# Altium PCB Einsy_Rambo.PcbDoc (part 1 of 4) (continued)
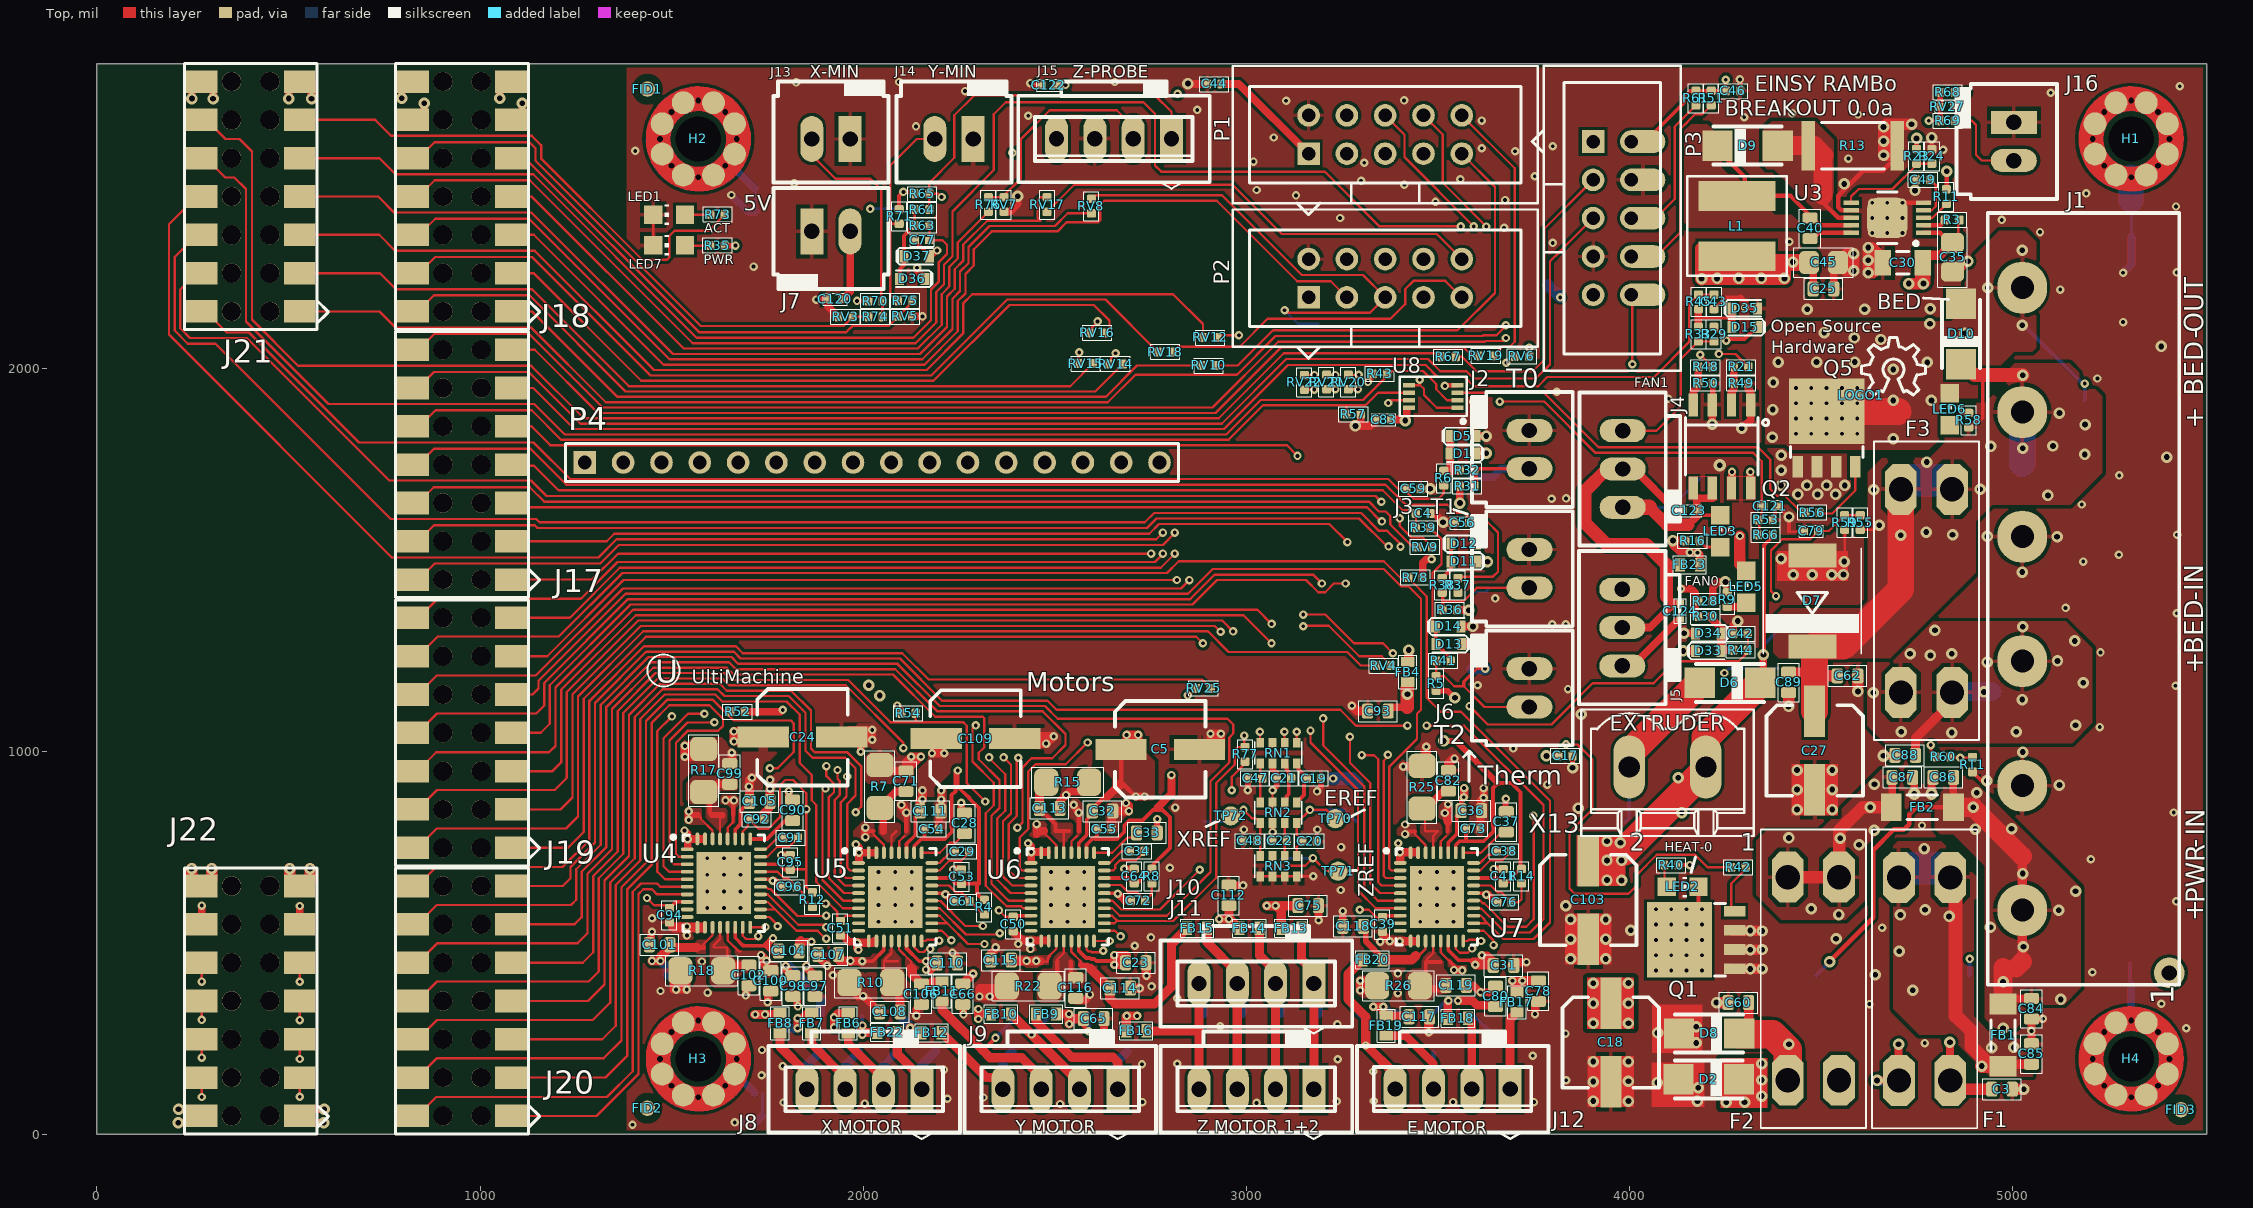
[diagram p0: Top view]
## Components (designator, comment, footprint, x,y, rotation, side; value= is the part's Value field where it differs from the comment) (continued)
R45 "1K" R0402#1 4180.78,2173.5 r270 top
R48 "100R" R0402#1 4199.03,2003.25 r180 top
R49 "100K" R0402#1 4292.03,1960.25 r0 top
R50 "100K" R0402#1 4199.03,1960.25 r0 top
R51 "10K" R0402#1 4214.03,2705.25 r90 top
R52 "10K" R0402#1 1672.03,1103.25 r0 top
R53 "2k37" R0402#1 4355.78,1604 r0 top
R54 "10K" R0402#1 2118.11,1099.41 r180 top
R55 "10K" R0402#1 4603.03,1597.25 r270 top
R56 "100R" R0402#1 4477.78,1623 r0 top
R57 "100K" R0402#1 3280.03,1880.25 r180 top
R58 "1.8K" R0402#1 4886.03,1864.25 r90 top
R59 "2k37" R0402#1 4562.03,1597.25 r270 top
R60 "4.7k" R0402#1 4819.03,985.25 r180 top
R61 "10K" R0402#1 4174.03,2705.25 r90 top
R63 "2k37" R0402#1 2154.03,2372.25 r0 top
R64 "2k37" R0402#1 2154.03,2414.25 r180 top
R65 "4.7k" R0402#1 2154.03,2455.25 r180 top
R66 "10K" R0402#1 4355.78,1565 r0 top
R67 "100R" R0402#1 3527.78,2030 r0 top
R68 "10K" R0402#1 4830.78,2720 r0 top
R69 "1K" R0402#1 4830.78,2646 r180 top
R70 "10K" R0402#1 2032.03,2175.25 r0 top
R71 "10K" R0402#1 2094.03,2396.25 r270 top
R73 "1K" R0402#1 1620.03,2401 r0 top
R74 "100R" R0402#1 2032.03,2134.25 r0 top
R75 "100R" R0402#1 2110.03,2176.25 r180 top
R76 "100R" R0402#1 2327.03,2427.25 r90 top
R77 "10K" R0402#1 2997.03,992.25 r270 top
R78 "10K" R0402#1 3441.78,1453.5 r0 top
RN1 "5.6k" CAY16 3084.5,995.77 r180 top
RN2 "5.6k" CAY16 3084.5,840.26 r180 top
RN3 "10K" CAY16 3084.5,700.5 r180 top
RT1 "NTCG104LH104JT1" R0402#2 4896.03,965.25 r90 top value=NTC
RV3 "VRS0402SR55R101N" C0402#1 1954.03,2134.25 r0 top value=12V
RV4 "120R" R0402#1 3358.78,1224 r180 top value=120Rfb
RV5 "VRS0402SR55R101N" C0402#1 2110.03,2135.25 r180 top value=12V
RV6 "120R" R0402#1 3719.78,2031 r0 top value=120Rfb
RV7 "VRS0402SR55R101N" C0402#1 2368.03,2427.25 r90 top value=12V
RV8 "120R" R0402#1 2596.03,2423.25 r90 top value=120Rfb
RV9 "120R" R0402#1 3466.78,1533 r0 top value=120Rfb
RV10 "120R" R0402#1 2902.03,2007.25 r180 top value=120Rfb
RV12 "120R" R0402#1 2906.03,2080.25 r180 top value=120Rfb
RV14 "120R" R0402#1 2658.78,2011 r0 top value=120Rfb
RV15 "120R" R0402#1 2580.78,2012 r180 top value=120Rfb
RV16 "120R" R0402#1 2610.78,2092 r0 top value=120Rfb
RV17 "120R" R0402#1 2480.03,2427.25 r270 top value=120Rfb
RV18 "120R" R0402#1 2788.78,2042 r0 top value=120Rfb
RV19 "120R" R0402#1 3625.78,2032 r0 top value=120Rfb
RV20 "120R" R0402#1 3266.78,1964 r90 top value=120Rfb
RV21 "120R" R0402#1 3209.78,1964 r90 top value=120Rfb
RV22 "120R" R0402#1 3151.78,1963 r90 top value=120Rfb
RV25 "120R" R0402#1 2888.48,1164 r0 top value=120Rfb
RV27 "VRS0402SR55R101N" C0402#2 4829.78,2683 r180 top value=12V
TP1 "TestPoint" TP1-27 1488.78,416 r90 bottom
TP2 "TestPoint" TP1-27 2588.78,316 r90 bottom
TP3 "TestPoint" TP1-27 4388.78,1316 r180 bottom
TP4 "TestPoint" TP1-27 2388.78,316 r90 bottom
TP5 "TestPoint" TP1-27 3188.78,316 r90 bottom
TP6 "TestPoint" TP1-27 2988.78,316 r90 bottom
TP7 "TestPoint" TP1-27 3088.78,316 r90 bottom
TP8 "TestPoint" TP1-27 3288.78,916 r90 bottom
TP9 "TestPoint" TP1-27 3588.78,316 r90 bottom
TP10 "TestPoint" TP1-27 3388.78,316 r90 bottom
TP12 "TestPoint" TP1-27 2888.78,816 r90 bottom
TP13 "TestPoint" TP1-27 3088.78,716 r90 bottom
TP14 "TestPoint" TP1-27 3288.78,816 r90 bottom
TP15 "TestPoint" TP1-27 3588.78,1216 r90 bottom
TP16 "TestPoint" TP1-27 5188.78,1716 r180 bottom
TP17 "TestPoint" TP1-27 3988.78,816 r180 bottom
TP18 "TestPoint" TP1-27 5188.78,1916 r180 bottom
TP19 "TestPoint" TP1-27 3488.78,316 r90 bottom
TP20 "TestPoint" TP1-27 3588.78,1716 r180 bottom
TP21 "TestPoint" TP1-27 3588.78,1416 r180 bottom
TP22 "TestPoint" TP1-27 4188.78,1716 r90 bottom
TP23 "TestPoint" TP1-27 4288.78,1516 r90 bottom
TP32 "TestPoint" TP1-27 3788.78,2216 r90 bottom
TP33 "TestPoint" TP1-27 4388.78,1216 r90 bottom
TP36 "TestPoint" TP1-27 3188.78,2116 r180 bottom
TP38 "TestPoint" TP1-27 2088.78,2416 r180 bottom
TP39 "TestPoint" TP1-27 2088.78,216 r90 bottom
TP40 "TestPoint" TP1-27 2389.78,2516 r180 bottom
TP41 "TestPoint" TP1-27 2188.78,216 r90 bottom
TP48 "TestPoint" TP1-27 2888.78,2716 r180 bottom
TP49 "TestPoint" TP1-27 1888.78,216 r90 bottom
TP50 "TestPoint" TP1-27 2488.78,316 r90 bottom
TP51 "TestPoint" TP1-27 2888.78,316 r90 bottom
TP52 "TestPoint" TP1-27 3288.78,316 r90 bottom
TP53 "TestPoint" TP1-27 2088.78,316 r90 bottom
TP54 "TestPoint" TP1-27 2188.78,2416 r90 bottom
TP56 "TestPoint" TP1-27 1988.78,216 r90 bottom
TP57 "TestPoint" TP1-27 2688.78,216 r90 bottom
TP58 "TestPoint" TP1-27 2388.78,216 r90 bottom
TP59 "TestPoint" TP1-27 3588.78,216 r90 bottom
TP60 "TestPoint" TP1-27 3488.78,216 r90 bottom
TP66 "TestPoint" TP1-27 4488.78,416 r180 bottom
TP67 "TestPoint" TP1-27 4688.78,416 r180 bottom
TP68 "TestPoint" TP1-27 4888.78,416 r180 bottom
TP69 "TestPoint" TP1-27 4185.78,184 r90 bottom
TP70 "TestPoint" TP1-27 3232.78,824 r90 top
TP71 "TestPoint" TP1-27 3239.78,687 r90 top
TP72 "TestPoint" TP1-27 2959.5,831.4 r90 top
TP73 "TestPoint" TP1-27 1988.78,316 r90 bottom
TP74 "TestPoint" TP1-27 1788.78,316 r90 bottom
TP75 "TestPoint" TP1-27 1888.78,316 r90 bottom
U3 "LM25011" VSSOP10 4673.46,2392.57 r180 top locked
U4 "TMC2130-LA" QFN36-50P500X600X900_HS-37N 1636.4,656.06 r0 top locked value=TMC2130
U5 "TMC2130-LA" QFN36-50P500X600X900_HS-37N 2083.78,620.06 r0 top locked value=TMC2130
U6 "TMC2130-LA" QFN36-50P500X600X900_HS-37N 2533.78,620.06 r0 top locked value=TMC2130
U7 "TMC2130-LA" QFN36-50P500X600X900_HS-37N 3497.78,620.06 r0 top locked value=TMC2130
U8 "74LVC2G08" VSSOP8 3488.03,1926.25 r180 top value=-NA-
X13 "0395311002" MSTBV2 4099.78,959 r180 top

## Footprints (in the part's own frame and the unit in brackets; to place one, negate y for a bottom-side part, rotate by r counter-clockwise, add the part's x,y. Pads: shape width x height; smd on the part's side, far side on the other; paste and mask are expansions set on the pad)
4POL254 [mil]
  rect 60x120 hole 40: 1(-150,0)
  oval 60x120 hole 40: 2(-50,0) 3(50,0) 4(150,0)
  silkscreen extent -250,-150 250,130, body extent -250,-150 250,113, height 454
2512R-0.55 [mm] "2512 Resistor 6.35mm x 3.2mm x 0.55mm"
  rect 0.9x3.3 smd: 1(-2.95,0) 2(2.95,0)
  silkscreen extent -2.1,-1.55 2.1,1.55, body extent -3.22,-1.68 3.22,1.68, height 0.65
3557 [mil] "3557"
  oct 133x83 hole 63: 1(-265,-67) 1(-265,67) 2(265,-67) 2(265,67)
  silkscreen extent -390,-137 390,138, body extent -393,-140 392,140, height 709
70543-02#1 [mil]
  oval 60x120 hole 40: 1(-50,0) 2(50,0)
  silkscreen extent -150,-150 150,113, body extent -150,-150 150,113, height 450
70543-02#2 [mil]
  rect 60x120 hole 40: 1(-50,0)
  oval 60x120 hole 40: 2(50,0)
  silkscreen extent -150,-150 150,113, body extent -150,-150 150,113, height 450
70543-03 [mil]
  oval 60x120 hole 40: 1(-100,0) 2(0,0) 3(100,0)
  silkscreen extent -200,-150 200,113, body extent -200,-150 200,113, height 450
C0402#1 [mil]
  rrect40% 22x24 smd: 1(-18.7,0) 2(19,0)
  silkscreen extent -38,-19 38,20, body extent -20,-10 20,10, height 20
C0402#2 [mil] "Chip Capacitor, Ceramic, 0402, Manually adjusted"
  rect 21.65x19.68 smd: 1(-18.7,0) 2(18.7,0)
  silkscreen extent -31,-16 31,16, body extent -21,-11 21,11, height 20
C0603 [mm]
  rrect40% 0.74x1 smd: 1(-0.68,0) 2(0.68,0)
  silkscreen extent -1.28,-0.7 1.28,0.7, body extent -0.8,-0.4 0.8,0.4, height 0.8
C0805 [mil]
  rrect50% 52x60 smd: 1(-37.4,0) 2(38,0)
  silkscreen extent -78,-39 78,39, body extent -40,-30 40,30, height 35
C1206 [mm]
  rect 1.1x1.7 smd: 1(-1.325,0) 2(1.325,0)
  silkscreen extent -0.4,-0.75 0.4,0.75, body extent -1.68,-0.87 1.67,0.88, height 1.6
CAP-ELEC-063063077 [mm] "6.3x6.3x7.7mm"
  rect 3.4x1.4 smd: 1(2.6,0) 2(-2.6,0)
  silkscreen extent -3,-3.2 3,3.2, body extent -3.5,-3.3 3.5,3.3, height 5.4
CAY16 [mil]
  rect 20x26 smd: 1(-47.24,-26.57) 2(-15.75,-26.57) 3(16,-26.57) 4(48,-26.57) 5(48,27) 6(16,27) 7(-15.75,27) 8(-47.24,27)
  silkscreen extent -61,-30 62,30, body extent -61,-30 62,30, height 20
CON-Barrier-6-8.26mm [mil]
  oval 136x130 hole 60: 1(-812.5,160) 2(-487.5,160) 3(-162.5,160) 4(162.5,160) 5(487.5,160) 6(812.5,160)
  silkscreen extent -1008,-250 1007,250, body extent -1007,-250 1007,250, height 530
DO-214AB [mil]
  rect 63x126 smd: A(119,0) C(-118.11,0)
  silkscreen extent -138,-128 138,128, body extent -140,-130 140,130, height 98
FB0603 [mm] "Ferrite Bead, Samsung CIS10P High Current Series"
  rect 0.67x0.88 smd: 1(-0.665,0) 2(0.665,0)
  silkscreen extent -1.1,-0.6 1.1,0.6, body extent -0.87,-0.48 0.87,0.48, height 0.95
FIDUCIAL-1X2 [mil]
  rrect100% 40x40 smd paste-3897.64 mask+20: 1(0,0)
  body extent -20,-20 20,20, height 1
HDR1X16 [mm] "Connector; Header; 16 Position"
  rect 1.5x1.5 hole 0.9: 1(0,0)
  round 1.5 hole 0.9: 2(2.54,0) 3(5.08,0) 4(7.62,0) 5(10.16,0) 6(12.7,0) 7(15.24,0) 8(17.78,0) 9(20.32,0) 10(22.86,0) 11(25.4,0) 12(27.94,0) 13(30.48,0) 14(33.02,0) 15(35.56,0) 16(38.1,0)
  silkscreen extent -1.27,-1.27 39.37,1.27
"HDR2X5 IDC" [mm] "Connector; Header; 5x2 Position"
  rect 1.5x1.5 hole 0.9: 1(-5.08,-1.27)
  round 1.5 hole 0.9: 2(-5.08,1.27) 3(-2.54,-1.27) 4(-2.54,1.27) 5(0,-1.27) 6(0,1.27) 7(2.54,-1.27) 8(2.54,1.27) 9(5.08,-1.27) 10(5.08,1.27)
  silkscreen extent -10.11,-5.31 10.11,4.55, body extent -10.19,-4.63 10.19,4.63, height 9.1
"HDR2X5 IDC THIEVING" [mm] "Connector; Header; 5x2 Position"
  rect 1.5x1.5 hole 0.9 mask+0.051: 1(-5.08,-1.27)
  oval 1.5x3 hole 0.9 copper offset 0,0.75 mask-0.914: 2(-5.08,1.27) 4(-2.54,1.27) 6(0,1.27) 8(2.54,1.27) 10(5.08,1.27)
  round 1.5 hole 0.9 mask+0.051: 3(-2.54,-1.27) 5(0,-1.27) 7(2.54,-1.27) 9(5.08,-1.27)
  rect 1.5x1.5 smd far side paste-0.762: ""(-5.08,4.521) ""(-2.54,4.521) ""(0,4.521) ""(2.54,4.521) ""(5.08,4.521)
  round 1.602 on Top Solder: ""(-5.08,1.27) ""(-2.54,1.27) ""(0,1.27) ""(2.54,1.27) ""(5.08,1.27)
  round 1.602 on Bottom Solder: ""(-5.08,1.27) ""(-2.54,1.27) ""(0,1.27) ""(2.54,1.27) ""(5.08,1.27)
  silkscreen extent -10.11,-5.31 10.11,4.55, body extent -10.19,-4.63 10.19,4.63, height 9.1
HDR2x7_SMT_BOT_ENTRY_EX [mm]
  rect 1.5x2.1 smd: 1(-7.62,-3.25) 2(-7.62,3.25) 3(-5.08,-3.25) 4(-5.08,3.25) 5(-2.54,-3.25) 6(-2.54,3.25) 7(0,-3.25) 8(0,3.25) 9(2.54,-3.25) 10(2.54,3.25) 11(5.08,-3.25) 12(5.08,3.25) 13(7.62,-3.25) 14(7.62,3.25)
  round 1.28 hole 1.28 unplated: ""(-7.62,-1.27) ""(-7.62,1.27) ""(-5.08,-1.27) ""(-5.08,1.27) ""(-2.54,-1.27) ""(-2.54,1.27) ""(0,1.27) ""(0,-1.27) ""(2.54,-1.27) ""(2.54,1.27) ""(5.08,-1.27) ""(5.08,1.27) ""(7.62,-1.27) ""(7.62,1.27)
  silkscreen extent -8.82,-5.15 8.82,4.4, body extent -8.79,-3.82 8.79,3.83, height 6.2
L1806 [mm] "Chip Inductor, 2-Leads, Body 4.50x1.60mm, IPC Medium Density"
  rect 1.38x1.8 smd: 1(-2.06,0) 2(2.06,0)
  silkscreen extent -1,-0.8 1,0.8, body extent -2.35,-0.9 2.35,0.9, height 1.8
LED2012120 [mil]
  rect 48x48 smd: A(-41.34,0) C(42,0)
  silkscreen extent 0,-27 12,27, body extent -50,-25 50,25, height 28
MSTBV2 [mil]
  oval 82.5x165 hole 55: 1(-100,0) 2(100,0)
  silkscreen extent -225,-150 225,180, body extent -228,-153 228,183, height 394
NCV8402AD-SOIC8 [mil]
  rect 24x60 smd: 1(-75,-108.27) 2(-25,-108.27) 3(25,-108.27) 4(75,-108.27) 5(25,109) 5(75,109) 7(-75,109) 7(-25,109)
  silkscreen extent -122,-75 95,75, body extent -98,-130 99,130, height 58
"Net Tie" [mil]
  rrect50% 46x63 smd: 1(-30,0) 2(30,0)
  Top lines w8: -30,0 30,0
  silkscreen extent -65,-40 65,40, body extent -53,-31 53,31, height 4
OSHW_8X150_NOTEXT [mil]
  silkscreen extent 0,0 167,150, body extent 0,2 168,148
QFN36-50P500X600X900_HS-37N [mm] "QFN, 36-Leads, Body 5.00x6.00mm, Pitch 0.50mm, Thermal Pad 3.60x4.10mm, IPC Medium Density"
  oval 0.85x0.25 smd mask+0.051: 1(-2.43,2.25) 2(-2.43,1.75) 3(-2.43,1.25) 4(-2.43,0.75) 5(-2.43,0.25) 6(-2.43,-0.25) 7(-2.43,-0.75) 8(-2.43,-1.25) 9(-2.43,-1.75) 10(-2.43,-2.25) 19(2.43,-2.25) 20(2.43,-1.75) 21(2.43,-1.25) 22(2.43,-0.75) 23(2.43,-0.25) 24(2.43,0.25) 25(2.43,0.75) 26(2.43,1.25) 27(2.43,1.75) 28(2.43,2.25)
  oval 0.25x0.85 smd mask+0.051: 11(-1.75,-2.925) 12(-1.25,-2.925) 13(-0.75,-2.925) 14(-0.25,-2.925) 15(0.25,-2.925) 16(0.75,-2.925) 17(1.25,-2.925) 18(1.75,-2.925) 29(1.75,2.925) 30(1.25,2.925) 31(0.75,2.925) 32(0.25,2.925) 33(-0.25,2.925) 34(-0.75,2.925) 35(-1.25,2.925) 36(-1.75,2.925)
  rect 3.6x4.1 smd paste-2.159 mask+0.051: 37(0,0)
  rect 1.34x1.57 on Top Paste: ""(-0.821,-0.936) ""(-0.82,0.935) ""(0.82,-0.936) ""(0.82,0.936)
  silkscreen extent -3.47,-3.2 2.7,3.2, body extent -2.55,-3.05 2.55,3.05, height 0.9
R0402#1 [mil]
  rrect40% 22x24 smd: 1(-18.9,0) 2(19,0)
  silkscreen extent -38,-19 38,20, body extent -20,-10 20,10, height 14
R0402#2 [mil]
  rrect40% 23.62x24 smd: 1(-18.9,0) 2(19,0)
  body extent -20,-10 20,10, height 14
R1206 [mil]
  rrect50% 63x71 smd: 1(-55.98,0) 2(56,0)
  silkscreen extent -94,-39 94,39, body extent -61,-31 61,31, height 24
SMA-SM#1 [mil]
  rect 79x79 smd: A(79,0) K(-78.74,0)
  silkscreen extent -89,-49 89,50, body extent -105,-54 105,55, height 116
SMA-SM#2 [mil]
  rect 79x79 smd: A(79,0) C(-78.74,0)
  silkscreen extent -89,-49 89,50, body extent -105,-54 105,55, height 116
SOD523_IPC [mm]
  rect 0.6x0.8 smd: A(0.85,0) K(-0.85,0)
  silkscreen extent -1.35,-0.55 1.08,0.55, body extent -0.65,-0.45 0.65,0.45, height 0.65
SOT669 [mm]
  rect 0.711x1.422 smd: 1(-1.905,-2.55) 2(-0.635,-2.55) 3(0.635,-2.55) 4(1.905,-2.55)
  rect 5.004x4.318 smd paste-2.6: MB(0,1.118)
  rect 2.26x1.91 on Top Paste: ""(-1.351,2.315) ""(-1.351,-0.036) ""(1.351,2.314) ""(1.351,-0.037)
  silkscreen extent -2.4,-1.95 2.41,-1.22, body extent -2.44,-3.05 2.46,3.25, height 1.1
TP1-27 [mil]
  rrect100% 50x50 smd paste-50: TP(0,0)
  body extent -25,-25 25,25, height 0
VSSOP8 [mm]
  rect 0.8x0.296 smd: 1(-1.6,0.75) 2(-1.6,0.25) 3(-1.6,-0.25) 4(-1.6,-0.75) 5(1.6,-0.75) 6(1.6,-0.25) 7(1.6,0.25) 8(1.6,0.75)
  silkscreen extent -2.23,-1.3 2.23,1.78, body extent -1.55,-1.05 1.55,1.05, height 1
VSSOP10 [mm] "TSSOP, 10-Leads, Body 3.15x3.00mm, Pitch 0.50mm, Thermal Pad 2.05.2x1.50.2mm, IPC High Density"
  rect 1.02x0.296 smd mask+0.102: 1(-2.4,1) 2(-2.4,0.5) 3(-2.4,0) 4(-2.4,-0.5) 5(-2.4,-1) 6(2.4,-1) 7(2.4,-0.5) 8(2.4,0) 9(2.4,0.5) 10(2.4,1)
  rrect50% 2.667x2.667 smd paste-1.397: 11(0,0)
  silkscreen extent -2.02,-1.7 0.65,1.82, body extent -1.55,-1.7 1.55,1.7, height 1.09
Wave_hole_3x7-singleSided#1 [mil]
  round 0 hole 118.11 unplated paste+0 mask-112: 0(0,0)
  round 0 hole 15 paste-20 mask-20: 1(-100,0) 1(-70,-70) 1(-70,70) 1(0,-100) 1(0,100) 1(70,-70) 1(70,70) 1(100,0)
  round 60 smd paste-5 mask+0: 1(-94.49,-39.37) 1(-94.49,39.37) 1(-39.37,-94.49) 1(-39.37,94.49) 1(39.37,-94.49) 1(39.37,94.49) 1(94.49,-39.37) 1(94.49,39.37)
  Top circle w64.96: c0,0 r105
  Bottom lines w64.96: 0,-105 cw(c0,0) 105,0 ; 0,-105 cw(c0,0) 105,0 ; 0,-105 ccw(c0,0) 77.16,-71.22 ; 0,-105 ccw(c0,0) 1.98,-104.98 ccw(c0,0) 77.16,-71.22 ; 77.16,-71.22 ccw(c0,0) 105,0
  body extent -105,-105 105,105
Wave_hole_3x7-singleSided#2 [mil]
  round 0 hole 118.11 unplated paste+0 mask-112: 0(0,0)
  round 0 hole 15 paste-20 mask-20: 1(-100,0) 1(-70,-70) 1(-70,70) 1(0,-100) 1(0,100) 1(70,-70) 1(70,70) 1(100,0)
  round 60 smd paste-5 mask+0: 1(-94.49,-39.37) 1(-94.49,39.37) 1(-39.37,-94.49) 1(-39.37,94.49) 1(39.37,-94.49) 1(39.37,94.49) 1(94.49,-39.37) 1(94.49,39.37)
  Top circle w64.96: c0,0 r105
  Bottom lines w64.96: -3.94,-104.93 ccw(c0,0) 82.44,-65.03 ; -3.94,-104.93 ccw(c0,0) 82.44,-65.03 ; -3.94,-104.93 ccw(c0,0) 82.44,-65.03 ; -3.94,-104.93 ccw(c0,0) 82.44,-65.03 ; -3.94,-104.93 cw(c0,0) 105,0 ; -3.94,-104.93 cw(c0,0) 105,0 ; -3.94,-104.93 cw(c0,0) 105,0 ; -3.94,-104.93 cw(c0,0) 105,0 ; -3.94,-104.93 cw(c0,0) 105,0 ; -3.94,-104.93 cw(c0,0) 105,0 ; -3.94,-104.93 cw(c0,0) 105,0 ; 82.44,-65.03 ccw(c0,0) 105,0 ; 82.44,-65.03 ccw(c0,0) 105,0 ; 82.44,-65.03 ccw(c0,0) 105,0 ; 82.44,-65.03 ccw(c0,0) 105,0
  body extent -105,-105 105,105
XAL50xx_VLS6045 [mm] "Precision Wire Wound Inductor, 2-Leads, Body 5.28x5.48mm, IPC High Density"
  rect 1.985x5.1 smd: 1(-2,0) 2(2,0)
  silkscreen extent -3.3,-3.3 3.3,3.3, body extent -2.74,-2.84 2.74,2.84, height 4.25

## Part data
C3 C23 C25 C28 C31 C32 C33 C36 C37 C40 C60 C62 C71 C82 C84 C85 C86 C87 C88 C89 C90 C99 C102 C104 C105 C108 C110 C111 C113 C116 C119: library part C0603C104K5RACTU, "CAP CER 0603 100nF 50V 10% X7R", Manufacturer=Kemet, TOLERANCE="+/- 10%", DISTRIBUTOR=Digi-Key, DISTRIBUTOR #=399-5089-2-ND, EE_SPEC="100nF 50V X7R 0603", MANUFACTURER #=C0603C104K5RACTU, PART=100nF, PART DESCRIPTION="0.1µF ±10% 50V Ceramic Capacitor X7R 0603 (1608 Metric)"
C4 C17 C39 C41 C42 C43 C44 C46 C50 C51 C53 C54 C55 C56 C59 C64 C73 C77 C79 C83 C92 C94 C95 C120 C121 C122 C123 C124: library part GRM155R71C104KA88D, "CAP CER 0402 100nF 16V 10% X7R", Manufacturer=Murata, TOLERANCE="+/- 10%", DISTRIBUTOR=Digi-Key, DISTRIBUTOR #=490-3261-2-ND, EE_SPEC="100nF 16V X7R 0402", MANUFACTURER #=GRM155R71C104KA88D, PART=100nF, PART DESCRIPTION="0.10µF ±10% 16V Ceramic Capacitor X7R 0402 (1005 Metric)"
C5 C18 C24 C27 C103 C109: "CAP ALUM 100UF 35V 20% SMD", Manufacturer=Nichicon, TOLERANCE="+/- 20%", DISTRIBUTOR=Digi-Key, DISTRIBUTOR #=493-2203-2-ND, EE_SPEC="100uF 35V Al-El", MANUFACTURER #=UWT1V101MCL1GS, PART=100uF, PART DESCRIPTION="100µF 35V Aluminum Capacitors Radial, Can - SMD 1000 Hrs @ 105°C"
C19 C20 C21 C22 C47 C48 C61 C72 C76 C96: library part GRM155R60J105KE19D, "CAP CER 0402 1uF 6.3V 10% X5R", Manufacturer=Murata, TOLERANCE="+/- 10%", DISTRIBUTOR=Digi-Key, DISTRIBUTOR #=490-1320-2-ND, EE_SPEC="1uF 6.3V X5R 0402", MANUFACTURER #=GRM155R60J105KE19D, PART=1uF, PART DESCRIPTION="1µF ±10% 6.3V Ceramic Capacitor X5R 0402 (1005 Metric)"
C29 C34 C38 C91: library part GCM155R71H223KA55D, "CAP CER 0402 22nF ±10% 50V X7R", Manufacturer=YAGEO, TOLERANCE="+/- 10%", DISTRIBUTOR=Digi-Key, DISTRIBUTOR #=490-4763-2-ND, EE_SPEC="22nF 50V X7R 0402", MANUFACTURER #=GCM155R71H223KA55D, PART=22nF, PART DESCRIPTION="0.022µF ±10% 50V Ceramic Capacitor X7R 0402 (1005 Metric)"
C30: library part C1206C475K5PACTU, "CAP CER 1206 4.7uF 50V 10% X5R", Manufacturer=Kemet, TOLERANCE="+/- 10%", DISTRIBUTOR=Digi-Key, DISTRIBUTOR #=399-5507-2-ND, EE_SPEC="4.7uF 50V X5R 1206", MANUFACTURER #=C1206C475K5PACTU, PART=4.7uF, PART DESCRIPTION="4.7µF ±10% 50V Ceramic Capacitor X5R 1206 (3216 Metric)"
C35: library part GRM21BR71H105KA12L, "CAP CER 0805 1uF 50V 10% X7R", Manufacturer=Murata, TOLERANCE="+/- 10%", DISTRIBUTOR=Digi-Key, DISTRIBUTOR #=490-4736-2-ND, EE_SPEC="1uF 50V X7R 0805", MANUFACTURER #=GRM21BR71H105KA12L, PART=1uF, PART DESCRIPTION="1µF ±10% 50V Ceramic Capacitor X7R 0805 (2012 Metric)"
C45: library part C0805C106K8PACTU, "CAP CER 0805 10uF 10V 10% X5R", Manufacturer=Kemet, TOLERANCE="+/- 10%", DISTRIBUTOR=Digi-Key, DISTRIBUTOR #=399-4925-2-ND, EE_SPEC="10uF 10V X5R 0805", MANUFACTURER #=C0805C106K8PACTU, PART=10uF, PART DESCRIPTION="10µF ±10% 10V Ceramic Capacitor X5R 0805 (2012 Metric)"
C49: library part CC0402KRX7R8BB472, "CAP CER 0402 4.7nF 25V 10% X7R", Manufacturer=YAGEO, TOLERANCE="+/- 10%", DISTRIBUTOR=Digi-Key, DISTRIBUTOR #=311-1039-2-ND, EE_SPEC="4.7nF 25V X7R 0402", MANUFACTURER #=CC0402KRX7R8BB472, PART=4.7nF, PART DESCRIPTION="4700pF ±10% 25V Ceramic Capacitor X7R 0402 (1005 Metric)"
C65 C66 C75 C78 C80 C97 C98 C100 C101 C106 C107 C112 C114 C115 C117 C118: library part C0603C102K5RACTU, "CAP CER 0603  1nF 50v 10% X7R", Manufacturer=Kemet, TOLERANCE="+/- 10%", DISTRIBUTOR=Digi-Key, DISTRIBUTOR #=399-1082-2-ND, EE_SPEC="1nF 50V X7R 0603", MANUFACTURER #=C0603C102K5RACTU, PART=1nF, PART DESCRIPTION="1000pF ±10% 50V Ceramic Capacitor X7R 0603 (1608 Metric)"
C93: library part C1608JB0J106K080AB, "CAP CER 10UF 6.3V 10% JB 0603", Manufacturer=TDK, TOLERANCE="+/- 10%", DISTRIBUTOR=Digi-Key, DISTRIBUTOR #=445-11185-1-ND, EE_SPEC=6.3VDC, MANUFACTURER #=C1608JB0J106K080AB, PART="10uF 6.3VDC", PART DESCRIPTION="CAP CER 10UF 6.3V 10% JB 0603"
D1 D5 D11 D12 D13 D14 D15 D33 D34 D35 D36 D37: library part BAT54WT-7, "Diode Schottky 30V 100mA Surface Mount SOD-523", Manufacturer="Diodes Incorporated", TOLERANCE=NA, DISTRIBUTOR=Digi-Key, DISTRIBUTOR #=BAT54WT-7DI-ND, EE_SPEC="30V 0.1A", MANUFACTURER #=BAT54WT-7, PART=BAT54, PART DESCRIPTION="Diode Schottky 30V 100mA Surface Mount SOD-523"
D2 D8: "TVS DIODE 28VWM 45.4VC SMA", Manufacturer="Diodes Inc", MANUFACTURER #=SMAJ28A-13-F, TOLERANCE=NA, DISTRIBUTOR=Digi-Key, DISTRIBUTOR #=SMAJ28A-FDITR-ND, EE_SPEC="28Vrs 45.4Vc", PART=SMAJ28A, PART DESCRIPTION="TVS DIODE 28VWM 45.4VC SMA"
D6 D9 D10: library part SK310A, "DIODE Schottky 3A SMA", Manufacturer=MCC, MANUFACTURER #=SK310A-LTP, TOLERANCE=NA, DISTRIBUTOR=Digi-Key, DISTRIBUTOR #=SK310A-LTPMSTR-ND, EE_SPEC="3A 100V", PART=SK310A, PART DESCRIPTION="Diode Schottky 100V 3A Surface Mount DO-214AC (SMA)"
D7: "DIODE DO-214AB", Manufacturer="Diodes Incorporated", TOLERANCE=NA, DISTRIBUTOR=Digi-Key, DISTRIBUTOR #=S3A-FDITR-ND, EE_SPEC="50V 3A 1.15Vf", MANUFACTURER #=S3A-13-F, PART=S3A-13-F, PART DESCRIPTION="Diode Standard 50V 3A Surface Mount SMC"
F1 F2 F3: "FUSE PTH ATO", Manufacturer=Keystone, TOLERANCE=NA, DISTRIBUTOR=Digi-Key, DISTRIBUTOR #=36-3557-2-ND, EE_SPEC="ATC 500V 30A", MANUFACTURER #=3557-2, PART=Fuse, PART DESCRIPTION="FUSE BLOCK BLADE 500V 30A PCB"
FB1 FB2: "FERRITE BEAD 1806 60ohm", Manufacturer=Murata, TOLERANCE=NA, DISTRIBUTOR=Digi-Key, DISTRIBUTOR #=490-1058-2-ND, EE_SPEC="60R 6A 0.009Ohm", MANUFACTURER #=BLM41PG600SN1L, PART=60Rf, PART DESCRIPTION="FERRITE BEAD 60 OHM 1806 1LN"
FB4 FB6 FB7 FB8 FB9 FB10 FB11 FB12 FB13 FB14 FB15 FB16 FB17 FB18 FB19 FB20 FB22 FB23: library part "FERRITE 120R 3A 0603", "FERRITE BEAD 120 OHM 0603 1LN", Manufacturer=Samsung, MANUFACTURER #=CIS10P121AC, TOLERANCE=-NA-, DISTRIBUTOR #=1276-6351-2-ND, EE_SPEC=3A, PART="FERRITE 120R 3A 0603", PART DESCRIPTION="FERRITE BEAD 120 OHM 0603 1LN"
  FB4: DISTRIBUTOR=DigiKey
  FB6 FB7 FB8 FB9 FB10 FB11 FB12 FB13 FB14 FB15 FB16 FB17 FB18 FB19 FB20 FB22 FB23: DISTRIBUTOR=Digikey
FID1 FID2 FID3: "Fiducial"
J1: "CONN BARRIER STRIP 6CIRC 0.325\"", Manufacturer=TE, MANUFACTURER #=4DB-P108-06, TOLERANCE=NA, DISTRIBUTOR=Digi-Key, DISTRIBUTOR #=A98476-ND, EE_SPEC="150V 2A", PART=6POS, PART DESCRIPTION="6 Circuit 0.325\" (8.26mm) Barrier Block Connector, Screws with Captive Plate"
J2 J3 J6 J7 J13 J14 J16: "Connector 2pos", Manufacturer=Molex, MANUFACTURER #=0705430001, TOLERANCE=-NA-, DISTRIBUTOR=Digi-Key, DISTRIBUTOR #=WM4800-ND, EE_SPEC=-NA-, PART="10 Pin Conn", PART DESCRIPTION="2 Positions Header, Shrouded Connector 0.100\" (2.54mm) Through Hole Gold"
J4 J5: library part "CONN 3POS VERT 0.1\" SHRD LOCKING", "3 Positions Header, Shrouded Connector 0.100\" (2.54mm) Through Hole Gold", Manufacturer=Molex, MANUFACTURER #=0705430002, TOLERANCE=-NA-, DISTRIBUTOR=Digi-Key, DISTRIBUTOR #=WM4801-ND, EE_SPEC=-NA-, PART="3 Pin Conn VERT", PART DESCRIPTION="3 Positions Header, Shrouded Connector 0.100\" (2.54mm) Through Hole Gold"
J8 J9 J10 J11 J12 J15: library part "CONN 4PIN 0.1\" VERT SHRD LOCK ALT", "Molex 4 Pin Clip Connector", Manufacturer=Molex, MANUFACTURER #=0705430038, TOLERANCE=-NA-, DISTRIBUTOR=Digi-Key, DISTRIBUTOR #=WM4826-ND, EE_SPEC=-NA-, PART="4 Pin Conn", PART DESCRIPTION="4 Positions Header, Shrouded Connector 0.100\" (2.54mm) Through Hole Tin"
J17 J18 J19 J20 J21 J22: library part "CONN 14PIN 0.1\" FEMALE 2-ROW SMT BOT-ENTRY_EX", "CONN RCPT DUAL ENTRY 14POS .100\"", Manufacturer="TE Connectivity", MANUFACTURER #=969973-7, TOLERANCE=-NA-, DISTRIBUTOR=Digikey, DISTRIBUTOR #=A107060CT-ND, EE_SPEC=-NA-, PART=HDR14, PART DESCRIPTION="14 Position Receptacle, Bottom or Top Entry Connector Gold 0.100\" (2.54mm) Surface Mount"
L1: library part "IND 15uH 2.5A 0.075R", "FIXED IND 15UH 2.5A 98 MOHM SMD", Manufacturer=TDK, Manufacturer2=Coilcraft, MANUFACTURER #=VLS6045EX-150M, ManufacturerPartNumber2=XAL5050-153MEB, TOLERANCE="+/- 20%", DISTRIBUTOR=Digi-Key, DISTRIBUTOR #=445-173041-2-ND, EE_SPEC="15uH 2.5A 0.098-Ohm", PART=15uH, PART DESCRIPTION="15µH Shielded Wirewound Inductor 2.5A 98 mOhm Max Nonstandard"
LED1: library part 5988140107F, "LED 0805 Yellow", Manufacturer=Dialight, TOLERANCE=NA, DISTRIBUTOR=Digi-Key, DISTRIBUTOR #=350-2041-2-ND, EE_SPEC="2V 0.02A", MANUFACTURER #=5988140107F, PART=YEL, PART DESCRIPTION="Yellow 593nm LED Indication - Discrete 2V 0805 (2012 Metric)"
LED2 LED3 LED5 LED6: library part 5988110107F, "LED 0805 Red", Manufacturer=Dialight, TOLERANCE=NA, DISTRIBUTOR=Digi-Key, DISTRIBUTOR #=350-2038-2-ND, EE_SPEC="2.2V 0.02A", MANUFACTURER #=5988110107F, PART=RED, PART DESCRIPTION="Red 635nm LED Indication - Discrete 2.2V 0805 (2012 Metric)"
LED7: library part 5988170107F, "LED 0805 Green", Manufacturer=Dialight, TOLERANCE=NA, DISTRIBUTOR=Digi-Key, DISTRIBUTOR #=350-2044-2-ND, EE_SPEC="2V 0.02A", MANUFACTURER #=5988170107F, PART=GRN, PART DESCRIPTION="Green 566nm LED Indication - Discrete 2V 0805 (2012 Metric)"
"Net Tie1" "Net Tie2" "Net Tie3" "Net Tie4": "Net Tie", LastRevisionDate=23-Apr-2014, LastRevisionNote=ImportComponents, Published=23-Apr-2014, Publisher=UltiMachine
P1 P2 P3: library part "Header 10PIN 2ROW T-HOLE VERT SHROUDED", "CONN HEADER VERT 10POS GOLD", Manufacturer="On Shore", MANUFACTURER #=302-S101, TOLERANCE=-NA-, DISTRIBUTOR=Digikey, DISTRIBUTOR #=ED1543-ND, EE_SPEC=-NA-, PART=HDR10, PART DESCRIPTION="10 Positions Header Connector 0.100\" (2.54mm) Through Hole Gold"
P4: "Header, 16-Pin", LatestRevisionDate=17-Jul-2002, LatestRevisionNote="Re-released for DXP Platform.", Publisher="Altium Limited"
Q1 Q5: "MOSFET N-CH 40V 100A LFPAK", Manufacturer=Nexperia, MANUFACTURER #=PSMN1R8-40YLC,115, TOLERANCE=-NA-, DISTRIBUTOR=Digikey, DISTRIBUTOR #=1727-1052-2-ND, EE_SPEC="40V 100A 1.8mOhm", PART DESCRIPTION="N-Channel 40V 100A (Tc) 272W (Tc) Surface Mount LFPAK56, Power-SO8"
Q2: "IC DVR LOW SIDE 8-SOIC", Manufacturer="On Semi", MANUFACTURER #=NCV8402ADDR2G, TOLERANCE=NA, DISTRIBUTOR=Digi-Key, DISTRIBUTOR #=NCV8402ADDR2GOSTR-ND, EE_SPEC="42Vmaz 2A 0.165-Ohm", PART=NCV8402, PART DESCRIPTION="IC DVR LOW SIDE 8-SOIC"
R3: library part CRCW0402200KFKED, "RES 0402 200K", Manufacturer="Vishay Dale", TOLERANCE="+/- 1%", DISTRIBUTOR=Digi-Key, DISTRIBUTOR #=541-200KLTR-ND, EE_SPEC="200k 1% 0402", MANUFACTURER #=CRCW0402200KFKED, PART=200K, PART DESCRIPTION="200k Ohm ±1% 0.063W, 1/16W Chip Resistor 0402 (1005 Metric) Automotive AEC-Q200 Thick Film"
R4 R8 R12 R14: library part RC0402FR-0710RL, "RES SMD 10 OHM 1% 1/16W 0402", Manufacturer=Yageo, TOLERANCE="+/- 1%", DISTRIBUTOR=Digi-Key, DISTRIBUTOR #=311-10.0LRTR-ND, EE_SPEC="10R 1% 0402", MANUFACTURER #=RC0402FR-0710RL, PART=10R, PART DESCRIPTION="10 Ohm ±1% 0.063W, 1/16W Chip Resistor 0402 (1005 Metric) Moisture Resistant Thick Film"
R5 R31 R36 R60 R65: library part RC0402FR-074K7L, "RES SMD 4.7K OHM 1% 1/16W 0402", Manufacturer=Yageo, TOLERANCE="+/- 1%", DISTRIBUTOR=Digi-Key, DISTRIBUTOR #=311-4.7KLRTR-ND, EE_SPEC="4.7k 1% 0402", MANUFACTURER #=RC0402FR-074K7L, PART=4.7k, PART DESCRIPTION="4.7k Ohm ±1% 0.063W, 1/16W Chip Resistor 0402 (1005 Metric) Moisture Resistant Thick Film"
R6 R32 R37 R38 R39 R41 R53 R59 R63 R64: library part RC0402FR-072K37L, "RES SMD 2.37K OHM 1% 1/16W 0402", Manufacturer=Yageo, TOLERANCE="+/- 1%", DISTRIBUTOR=Digi-Key, DISTRIBUTOR #=311-2.37KLRTR-ND, EE_SPEC="2.37k 1% 0402", MANUFACTURER #=RC0402FR-072K37L, PART=2.37k, PART DESCRIPTION="2.37k Ohm ±1% 0.063W, 1/16W Chip Resistor 0402 (1005 Metric) Moisture Resistant Thick Film"
R7 R10 R15 R17 R18 R22 R25 R26: library part "0.22R 1% 1206", "RES SMD 0.22 OHM 1% 1/3W 1206", Manufacturer=Panasonic, MANUFACTURER #=RUT3216FR220CS, TOLERANCE="+/- 1%", DISTRIBUTOR=Digi-Key, DISTRIBUTOR #=RUT3216FR220CS, EE_SPEC="0.22R 1% 1206", PART=0.22R, PART DESCRIPTION="RES SMD 0.22 OHM 1% 1/3W 1206"
R9 R16 R28 R29 R40 R58: library part RC0402FR-071K8L, "RES SMD 1.8K OHM 1% 1/16W 0402", Manufacturer=Yageo, TOLERANCE="+/- 1%", DISTRIBUTOR=Digi-Key, DISTRIBUTOR #=311-1.80KLRTR-ND, EE_SPEC="1.8k 1% 0402", MANUFACTURER #=RC0402FR-071K8L, PART=1.8k, PART DESCRIPTION="1.8k Ohm ±1% 0.063W, 1/16W Chip Resistor 0402 (1005 Metric) Moisture Resistant Thick Film"
R11 R23 R24 R51 R52 R54 R61 R70 R71 R77 R78: library part RC0402FR-0710KP, "RES SMD 10K OHM 1% 1/16W 0402", Manufacturer=Yageo, TOLERANCE=1%, DISTRIBUTOR=Digi-Key, DISTRIBUTOR #=YAG1249TR-ND, EE_SPEC="10k 1% 0402 1/16W", MANUFACTURER #=RC0402FR-0710KP, PART="10k 1% 0402", PART DESCRIPTION="10k Ohm ±1% 0.063W, 1/16W Chip Resistor 0402 (1005 Metric) Moisture Resistant Thick Film"
  R51 R61: DNI=DNI
R13: library part RL2512FK-070R06L, "RES 0.06 OHM 1W 1% 2512 SMD", Manufacturer=Yageo, TOLERANCE=1%, DISTRIBUTOR=Digi-Key, DISTRIBUTOR #=311-0.06TTR-ND, EE_SPEC="0.06R 1% 2512", MANUFACTURER #=RL2512FK-070R06L, PART=0.6R, PART DESCRIPTION="0.06 Ohm ±1% 1W Chip Resistor 2512 (6432 Metric) Automotive AEC-Q200, Current Sense, Moisture Resistant Thick Film"
R21 R42 R48 R56 R67 R74 R75 R76: library part "RES 100R 0402 1%", "RES SMD 100 OHM 1% 1/16W 0402", Manufacturer=Yageo, MANUFACTURER #=RC0402FR-07100RL, TOLERANCE=1%, DISTRIBUTOR=Digi-Key, DISTRIBUTOR #=311-100LRTR-ND, EE_SPEC="100R 1% 0402", PART="100R 1% 0402", PART DESCRIPTION="100 Ohm ±1% 0.063W, 1/16W Chip Resistor 0402 (1005 Metric) Moisture Resistant Thick Film"
R30 R33 R35 R44 R45 R69 R73: library part RC0402FR-071KL, "RES SMD 1K OHM 1% 1/16W 0402", Manufacturer=Yageo, TOLERANCE="+/- 1%", DISTRIBUTOR=Digi-Key, DISTRIBUTOR #=311-1.00KLRTR-ND, EE_SPEC="1k 1% 0402", MANUFACTURER #=RC0402FR-071KL, PART=1k, PART DESCRIPTION="1k Ohm ±1% 0.063W, 1/16W Chip Resistor 0402 (1005 Metric) Moisture Resistant Thick Film"
R43 R49 R50 R57: library part RC0402FR-07100KL, "RES 100K OHM 1% 1/16W 0402", Manufacturer=Yageo, TOLERANCE="+/- 1%", DISTRIBUTOR=Digi-Key, DISTRIBUTOR #=311-100KLRTR-ND, EE_SPEC="100K 1% 0402", MANUFACTURER #=RC0402FR-07100KL, PART=100K, PART DESCRIPTION="100k Ohm ±1% 0.063W, 1/16W Chip Resistor 0402 (1005 Metric) Moisture Resistant Thick Film"
R55 R66 R68: library part "10k 1% 0402", "RES SMD 10K OHM 1% 1/16W 0402", Manufacturer=Yageo, MANUFACTURER #=RC0402FR-0710KP, TOLERANCE=1%, DISTRIBUTOR=Digi-key, DISTRIBUTOR #=YAG1249TR-ND, EE_SPEC="10k 1% 0402 1/16W", PART="10k 1% 0402", PART DESCRIPTION="10k Ohm ±1% 0.063W, 1/16W Chip Resistor 0402 (1005 Metric) Moisture Resistant Thick Film"
RN1 RN2: library part "5.6k x 4 5% 1206", "RES ARRAY 4 RES 5.6K OHM 1206", Manufacturer=Bourns, MANUFACTURER #=CAY16-562J4LF, TOLERANCE="+/- 5%", DISTRIBUTOR=Digi-Key, DISTRIBUTOR #=CAY16-562J4LFCT-ND, EE_SPEC="5.6k x 4 5% 1206", PART=5.6k, PART DESCRIPTION="5.6k Ohm ±5% 62.5mW Power Per Element Isolated Resistor Network/Array ±200ppm/°C 1206 (3216 Metric), Convex, Long Side Terminals"
RN3: library part CAY16-103J4LF, "RES ARRAY 4 RES 10K 1206 62.5mW 5%", Manufacturer=Bourns, TOLERANCE="+/- 5%", DISTRIBUTOR=Digi-Key, DISTRIBUTOR #=CAY16-103J4LFTR-ND, EE_SPEC="10k 5% Array_x_4", MANUFACTURER #=CAY16-103J4LF, PART=10K, PART DESCRIPTION="10k Ohm ±5% 62.5mW Power Per Element Isolated Resistor Network/Array ±200ppm/°C 1206 (3216 Metric), Convex, Long Side Terminals"
RT1: library part THERM_NTC, "NTC THERMISTOR 100K OHM 5% 0402", Manufacturer=TDK, TOLERANCE=5%, DISTRIBUTOR=Digikey, DISTRIBUTOR #=445-174317-2-ND, EE_SPEC=100mW, MANUFACTURER #=NTCG104LH104JT1, PART=NTC, PART DESCRIPTION="NTC Thermistor 100k 0402 (1005 Metric)"
RV3 RV5 RV7 RV27: "Multi-Layer Varistor", Manufacturer=Yageo, TOLERANCE=NA, DISTRIBUTOR=Digi-Key, DISTRIBUTOR #=311-1516-2-ND, EE_SPEC="5.5Vdc 12Vvar 60pF", MANUFACTURER #=VRS0402SR55R101N, PART=12V, PART DESCRIPTION="VARISTOR 12V 10A 0402"
RV4 RV6 RV8 RV9 RV10 RV12 RV14 RV15 RV16 RV17 RV18 RV19 RV20 RV21 RV22 RV25: library part "FERRITE 120R 1A 0402", "FERRITE BEAD 120 OHM 0402 1LN", Manufacturer="Taiyo Yuden", MANUFACTURER #=BKP1005HS121-T, TOLERANCE=-NA-, DISTRIBUTOR=Digikey, DISTRIBUTOR #=587-1921-2-ND, EE_SPEC=1A, PART="FERRITE 120R 1A 0402", PART DESCRIPTION="FERRITE BEAD 120 OHM 0402 1LN"
TP1 TP2 TP3 TP4 TP5 TP6 TP7 TP8 TP9 TP10 TP12 TP13 TP14 TP15 TP16 TP17 TP18 TP19 TP20 TP21 TP22 TP23 TP32 TP33 TP36 TP38 TP39 TP40 TP41 TP48 TP49 TP50 TP51 TP52 TP53 TP54 TP56 TP57 TP58 TP59 TP60 TP66 TP67 TP68 TP69 TP70 TP71 TP72 TP73 TP74 TP75: "Test Point"
U3: "REG BUCK", Manufacturer=TI, MANUFACTURER #=LM25011MY/NOPB, TOLERANCE=NA, DISTRIBUTOR=Digi-Key, DISTRIBUTOR #=LM25011MY/NOPBTR-ND, EE_SPEC="42Vmax 2A 2MHz", PART=LM25011, PART DESCRIPTION="Buck Switching Regulator IC Positive Adjustable 2.51V 1 Output 2A 10-TFSOP, 10-MSOP (0.118\", 3.00mm Width) Exposed Pad"
U4 U5 U6 U7: library part TMC2130-LA-T, "IC STEPPER MOTOR DVR SPI 36QFN", Manufacturer=Trinamic, TOLERANCE=NA, DISTRIBUTOR=Digi-Key, DISTRIBUTOR #=1460-1130-2-ND, EE_SPEC="46V 1.2A 1/256 Step", MANUFACTURER #=TMC2130-LA-T, PART=TMC2130, PART DESCRIPTION="Bipolar Motor Driver Power MOSFET SPI, Step/Direction 36-QFN (5x6)"
U8: "IC GATE AND 2CH 2-INP 8-VSSOP", Manufacturer=Nexperia, MANUFACTURER #=74LVC2G08DC,125, TOLERANCE=-NA-, DISTRIBUTOR=Digikey, DISTRIBUTOR #=1727-3560-2-ND, EE_SPEC="1.65-5.5V, 32mA, LVTTL", PART=74LVC2G08, PART DESCRIPTION="AND Gate IC 2 Channel 8-VSSOP, US8"
X13: "Conn - 5.08mm Pitch Fixed", Manufacturer=Molex, TOLERANCE=NA, DISTRIBUTOR=Digi-Key, DISTRIBUTOR #=WM7837-ND, EE_SPEC="300V 15A 0.2\"", MANUFACTURER #=0395311002, PART=2POS, PART DESCRIPTION="2 Position Terminal Block Header, Male Pins, Shrouded (4 Side) 0.200\" (5.08mm) Vertical Through Hole"

## Free pads (board coordinates)
  round 80 hole 40: 0(5409.45,421.51)
  round 60 on Mech16: ""(0,0) ""(1372.78,0) ""(1824.21,2362.46) ""(2024.21,2598.68) ""(2152.95,157.73) ""(2237.6,2362.46) ""(2437.6,2598.68) ""(2650.98,2362.46) ""(2664.76,157.73) ""(2850.98,2598.68) ""(3162.78,2185) ""(3162.78,2560) ""(3176.57,157.73) ""(3176.57,433.32) ""(3688.78,158.13) ""(3739.17,1215.61) ""(3739.17,1526.63) ""(3739.17,1837.65) ""(3887.78,2053) ""(3981.78,1223) ""(3982.78,1637) ""(4199.78,959)
  round 20 on Mech16 mask+2: ""(451.38,48.28) ""(451.38,2148.28) ""(1002.76,48.28) ""(1002.95,748.28) ""(1002.95,1448.28) ""(1002.95,2148.28)
  round 30 on Mech16: ""(1540.93,744.64) ""(1988.31,708.64) ""(2438.31,708.64) ""(3402.31,708.64) ""(4677.95,2353.21) ""(5025.78,2210.5)
  round 20 on Top Overlay: ""(1554.03,478.25) ""(1554.03,800.25) ""(1673.03,800.25) ""(1700.03,502.25) ""(2007.03,480.25) ""(2021.03,761.25) ""(2082.03,2321.25) ""(2126.03,760.25) ""(2144.03,431.25) ""(2184.03,2204.25) ""(2453.03,435.25) ""(2454.03,760.25) ""(2589.03,765.25) ""(2595.03,421.25) ""(3415.03,477.25) ""(3418.03,761.25) ""(3468.03,1352.25) ""(3508.03,1850.25) ""(3510.15,1569.39) ""(3543.03,418.25) ""(3550.03,763.25) ""(3572.03,1245.25) ""(3625.78,1470) ""(3628.03,1751.25) ""(4147.03,1236.25) ""(4197.03,2528.25) ""(4232.03,2189.25) ""(4247.03,1344.25) ""(4315.03,194.25) ""(4340.03,304.25) ""(4360.03,2081.25) ""(4377.03,1230.25) ""(4599.03,1243.25) ""(4912.03,1842.25)
  round 75 on Mech16: ""(2088.78,1016) ""(2488.78,1016) ""(3288.78,1016)
  round 19.68 on Top Overlay: ""(2537.78,1115) ""(2537.78,1992) ""(3446.78,1115)
  round 50 on Mech16: ""(3888.78,2216)

## Via types
v1: diameter 22, hole 10, Top to Bottom, 296 vias
v2: diameter 22, hole 10, Top to Bottom, tented both sides, 255 vias
v3: diameter 30, hole 15, Top to Bottom, 204 vias
v4: diameter 30, hole 15, Top to Bottom, tented both sides, 30 vias
v5: diameter 32, hole 15, Top to Bottom, tented both sides, 4 vias
v6: diameter 29, hole 15, Top to Bottom, tented both sides, 4 vias

## Nets (pads, with @x,y where several pads share a name; then routed paths per layer and width w, separated by ;. In a path a pad name is that pad's centre, name@x,y a point inside that pad or via, vN(x,y) a via of type N, cw(c..) or ccw(c..) an arc to the next point about the centre after c; other vN are vias at no path point)
1V8: D1.K D11.K D13.K J22.12 R5.2 R31.2 R36.2 | length 5447.9
  Top w11: D11.K@3601.24,1496 3602.24,1495 v3(3629.78,1495)
  Top w15: R5.2@3495.78,1158 3525.78,1158 3543.78,1140 v3(3544.78,1140)
  Top w20: J22.12@273.42,548.28 v1(273.42,597.24) ; R36.2@3550.78,1369 v3@3580.78,1369 ; v3(3557.78,1648) R31.2@3557.78,1692 ; D13.K@3561.78,1280 v3(3591.78,1280)
  Top w30: D1.K@3606.78,1778 v3(3626.78,1778)
  Signal Layer 1 w20: v1(273.42,597.24) 240.35,597.24 211.61,625.99 211.61,744.1 666.34,1198.82 666.34,1672.24 792.32,1798.23 1060.04,1798.23 1129.92,1868.11 2822.83,1868.11 2876.97,1813.98 3452.8,1813.98 3557.78,1709 ; v3(3544.78,1140) 3544.78,1279.53 ; v3(3580.78,1368) 3547.84,1368 3544.78,1371.06 ; v3(3591.78,1280) 3545.25,1280 3544.78,1279.53 ; v3(3626.78,1778) 3557.78,1709 ; v3(3629.78,1495) 3547.81,1495 3544.78,1498.03 ; 3544.78,1279.53 3544.78,1371.06 ; 3544.78,1371.06 3544.78,1498.03 ; 3544.78,1498.03 3544.78,1569.39 3557.78,1582.39 v3(3557.78,1648) 3557.78,1709
3V3: C39.2 C50.2 C51.2 C94.2 J22.11 U4.8 U5.8 U6.8 U7.8 | length 4064
  Top w6: v2(1435.78,617) 1454.35,598.43 1487.35,598.43 C94.2@1494.78,591 ; v1(1902.56,602.36) 1911.42,602.36 1932.09,581.69 1932.09,565.69 C51.2@1940.78,557 1954.62,570.84 U5.8@1988.11,570.84 ; v1(2354.33,584.65) 2370.98,568 C50.2@2391.78,568 C50.2@2394.62,570.84 ; v1(3296.26,586.62) 3319.8,586.62 3340.42,566 C39.2@3355.78,566 ; C39.2@3355.78,568 C39.2@3358.62,570.84
  Top w9.5: C94.2@1494.78,591 1510.62,606.84 U4.8@1540.73,606.84 U4.8@1540.93,606.84 ; C50.2@2394.62,570.84 U6.8@2438.11,570.84 ; C39.2@3358.62,570.84 U7.8@3402.11,570.84 U7.8@3402.31,570.84
  Top w20: J22.11@529.33,548.28 v1(529.33,596.26)
  Signal Layer 1 w20: v1(529.33,596.26) 532.48,599.41 1174.21,599.41 1191.8,617 v2(1435.78,617) 1516.86,617 1750,383.86 1938.98,383.86 1949.8,394.68 1949.8,430.12 1937.99,441.93 1937.99,467.52 1950.29,479.82 1950.29,506.4 ; v1(1902.56,602.36) 1912.01,602.36 1950.29,564.08 1950.29,506.4 ; v1(2354.33,584.65) 2307.09,584.65 2274.61,552.17 2274.61,460.63 ; v1(3296.26,586.62) 3261.81,552.17 3239.17,552.17 3164.37,626.97 3022.64,626.97 2994.09,598.43 2885.83,598.43 2742.13,454.73 2726.38,454.73 2671.26,399.61 2393.7,399.61 2332.68,460.63 2274.61,460.63 ; 1950.29,506.4 1975.9,532 1999.38,532 2015.78,515.6 2015.78,508.83 2128.94,395.67 2205.71,395.67 2270.67,460.63 2274.61,460.63
+12V2: C60.1 C103.1 D6.C D8.K F2.2 R40.1 R66.2 TP3.TP X13.1 | length 1760.1
  Top w10: v3@3940.78,716 v3@3972.78,716 ; R40.1@4128.68,703 v1(4157.78,703) ; v3@4351.78,1252.25 4351.78,1537.74 4372.78,1558.74 R66.2@4372.78,1565
  Top w20: D6.C@4341.52,1179 D6.C@4350.03,1187.51 ; v3(4350.03,1252.25) D6.C@4350.03,1187.51 ; D6.C@4351.78,1189.26 D6.C@4350.03,1187.51
  Top w25: D8.K@4311.55,287.99 C60.1@4311.55,344
  Top w30: C103.1@3880.78,765 v3(3941.78,765) ; C103.1@3883.78,716 v3@3940.78,716 ; C103.1@3890.78,664 v3(3941.78,664)
  Top w75: C103.1@3903.78,740 3987.78,740 4199.78,952 X13.1@4199.78,959 4199.78,1037.26 D6.C@4341.52,1179 ; D8.K@4287.24,261.68 4373.1,261.68 4413.73,221.05 F2.2@4413.73,141.39
  Signal Layer 1 w30: v3(3941.78,664) 3956.78,664
  Signal Layer 1 w60: 3956.78,664 3956.78,750
  Bottom w8: v3(4350.03,1252.25) 4350.03,1277.25 TP3.TP@4388.78,1316
  other v3: 4416.78,235 3979.78,663 3941.78,715 3979.78,715 3976.78,761 4136.78,840 4127.78,931